# Altium PCB Slave.PcbDoc (part 11 of 11)
Units mm, origin at the board's own origin, x right, y up, seen from the top; angles counter-clockwise.
Board outline 380 x 63 mm, 4 copper layers (Top Copper, Signal Layer 1, Signal Layer 2, Bottom Copper), stack 1.586 mm thick; 256 components, 191 nets, 731 pads, 24161 vias.
Unrouted connection lines stored in the file: 14.
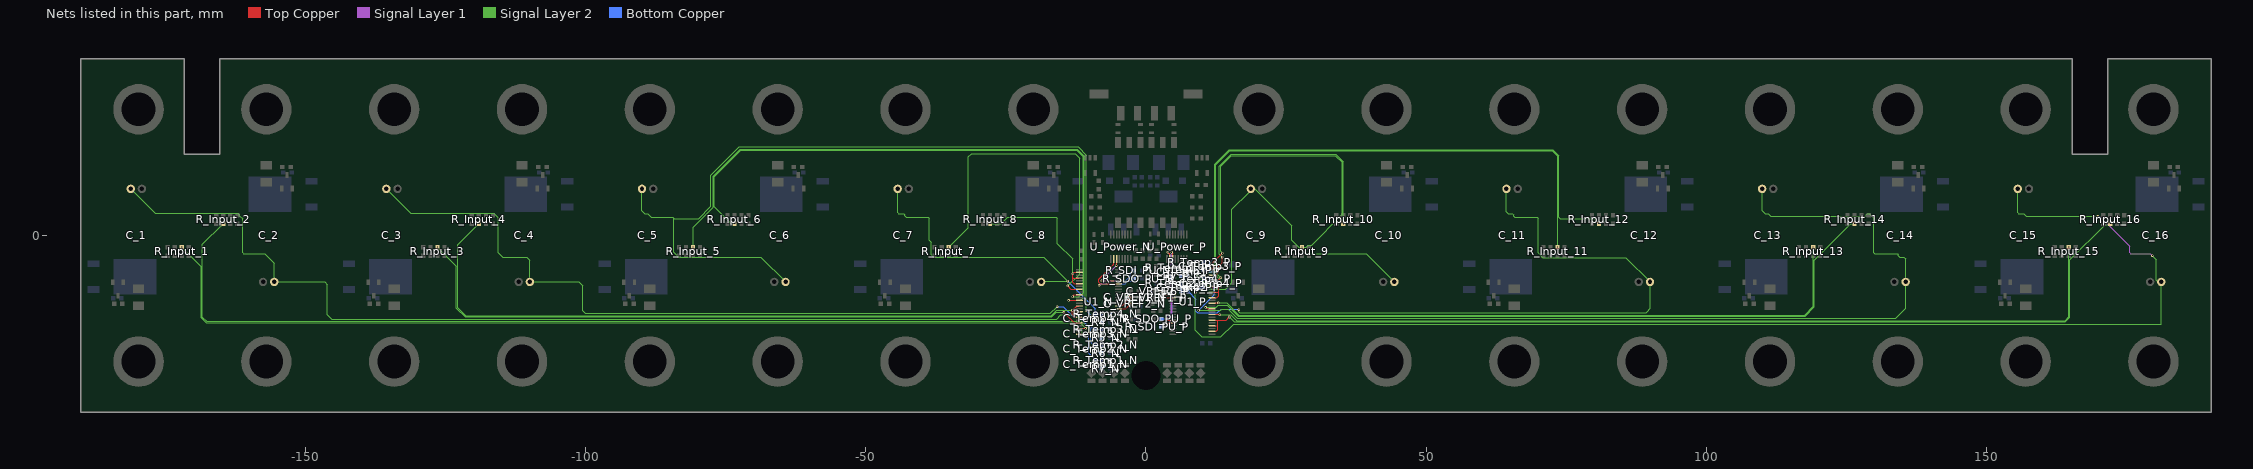
[diagram p13: the nets of this part, all layers, seen from the top]

## Via types
v1: diameter 0.45, hole 0.297, Top Copper to Bottom Copper, tented both sides, 23326 vias
v2: diameter 1, hole 0.7, Top Copper to Bottom Copper, 576 vias
v3: diameter 0.45, hole 0.2, Top Copper to Bottom Copper, 259 vias

## Nets (pads, with @x,y where several pads share a name; then routed paths per layer and width w, separated by ;. In a path a pad name is that pad's centre, name@x,y a point inside that pad or via, vN(x,y) a via of type N, cw(c..) or ccw(c..) an arc to the next point about the centre after c; other vN are vias at no path point) (continued)
SDI_N: R_SDO_PU_N.1 U1_N.43 U_Power_N.2 | length 16
  Top Copper w0.102: v3(-8.38,-8.926) -8.38,-8.851 -8.129,-8.6 ; U_Power_N.2@-5.751,-4.184 -5.751,-5.176 -8.4,-7.825 -8.4,-8.329 -8.129,-8.6 ; U1_N.43@-4.9,-8.6 -8.129,-8.6
  Bottom Copper w0.102: v3(-8.38,-8.926) -8.054,-8.6 -3.7,-8.6 -3.3,-8.2 -2.65,-8.2 -2.499,-8.049 -2.499,-8.024 -2.175,-7.7 R_SDO_PU_N.1@-2.15,-7.7
SDI_P: R_SDO_PU_P.1 U1_P.43 U_Power_P.2 | length 16
  Top Copper w0.102: v3(3.6,-14.87) 3.83,-15.1 U1_P.43@4.8,-15.1 ; v3(3.9,-3) 4.249,-3.349 U_Power_P.2@4.249,-4.184
  Signal Layer 1 w0.102: v3(3.6,-14.87) 4.5,-13.97 4.5,-3.6 v3(3.9,-3)
  Bottom Copper w0.102: R_SDO_PU_P.1@2.75,-14.9 3.57,-14.9 v3(3.6,-14.87)
SDO_N: R_SDI_PU_N.1 U1_N.44 U_Power_N.3 | length 14.8
  Top Copper w0.102: v3(-7.9,-8.125) -7.875,-8.1 U1_N.44@-4.9,-8.1 ; v3(-5.3,-5.4) -5.251,-5.351 U_Power_N.3@-5.251,-4.184
  Signal Layer 1 w0.102: v3(-7.9,-8.125) -7.9,-8 v3(-5.3,-5.4)
  Bottom Copper w0.102: v3(-7.9,-8.125) -3.625,-8.125 -2.8,-7.3 -2.8,-6.9 -2.499,-6.599 -2.499,-6.574 -2.175,-6.25 R_SDI_PU_N.1@-2.15,-6.25
SDO_P: R_SDI_PU_P.1 U1_P.44 U_Power_P.3 | length 17.5
  Top Copper w0.102: v3(3.462,-16.2) 4.062,-15.6 U1_P.44@4.8,-15.6 4.81,-15.59 U1_P.44@4.88,-15.66 ; v3(4.577,-3) 4.749,-3.172 U_Power_P.3@4.749,-4.184
  Signal Layer 1 w0.102: v3(3.462,-16.2) 4.703,-14.959 4.703,-3.126 v3(4.577,-3)
  Bottom Copper w0.102: R_SDI_PU_P.1@2.75,-16.25 3.412,-16.25 v3(3.462,-16.2)
T1_C1: C_1.T+ C_2.T+ C_Temp1_N.2 R7_N.1 R_Temp1_N.1 | length 199.3
  Signal Layer 2 w0.102: C_1.T+@-181.1,8.3 -176.725,3.925 -161.991,3.925 -161.723,3.656 -161.723,3.523 -161.151,2.951 -161.151,-3.104 -161.004,-3.251 -157.224,-3.251 -155.5,-4.975 C_2.T+@-155.5,-8.3 -146.5,-8.3 -146,-8.8 -146,-14.194 -145.256,-14.937 -15.954,-14.937 -15.19,-14.173 -12.624,-14.173 -10.25,-16.547 v3(-10.25,-17.5)
  Bottom Copper w0.102: v3(-10.25,-17.5) -10.25,-21 -9.349,-21.901 -9.324,-21.901 -9,-22.225 C_Temp1_N.2@-9,-22.25 R_Temp1_N.1@-7.9,-22.25 R7_N.1@-7.9,-23.75
T1_C2: C_9.T+ C_10.T+ C_Temp1_P.2 R7_P.1 R_Temp1_P.1 | length 65.5
  Signal Layer 2 w0.102: v3(6.3,-5.675) 6.804,-6.179 8.2,-6.179 11.614,-9.594 14.194,-9.594 15.313,-8.475 15.313,4.638 C_9.T+@18.463,7.788 ; C_9.T+@18.7,8.3 19.4,8.3 26,1.7 26,-0.9 28.4,-3.3 39.3,-3.3 C_10.T+@44.3,-8.3
  Bottom Copper w0.102: v3(6.3,-5.675) 6.3,-7.2 R7_P.1@6.25,-7.25 C_Temp1_P.2@7.5,-7.25
T3_C1: C_3.T+ C_4.T+ C_Temp2_N.2 R6_N.1 R_Temp2_N.1 | length 151.6
  Signal Layer 2 w0.102: C_3.T+@-135.5,8.3 -131.152,3.952 -116.344,3.952 -115.551,3.16 -115.551,-3.104 -114.777,-3.877 -110.423,-3.877 -109.9,-4.4 C_4.T+@-109.9,-8.3 -101.2,-8.3 -100.5,-9 -100.5,-13.4 -99.979,-13.921 -17.071,-13.921 v3(-15.85,-12.7)
  Bottom Copper w0.102: v3(-15.85,-12.7) -14.757,-12.7 -13.157,-14.3 -12.136,-14.3 -9.825,-16.612 -9.825,-19.025 -9.35,-19.5 C_Temp2_N.2@-9,-19.5 R_Temp2_N.1@-7.9,-19.5 R6_N.1@-7.9,-21
T3_C2: C_11.T+ C_12.T+ C_Temp2_P.2 R6_P.1 R_Temp2_P.1 | length 132.5
  Signal Layer 2 w0.102: v3(16.561,-13.233) 16.561,-13.624 16.74,-13.803 89.197,-13.803 89.669,-13.331 89.669,-13.26 89.9,-13.028 C_12.T+@89.9,-8.3 85.577,-3.977 70.794,-3.977 69.951,-3.135 69.951,3.104 69.804,3.251 65.749,3.251 65.578,3.422 65.578,3.656 65.357,3.877 64.622,3.877 64.3,4.199 C_11.T+@64.3,8.3
  Bottom Copper w0.102: R_Temp2_P.1@6.25,-8.5 R6_P.1@6.25,-10 C_Temp2_P.2@7.5,-10 8.915,-11.415 8.915,-13.538 9.195,-13.818 12.751,-13.818 13.411,-13.157 16.327,-13.157 16.337,-13.167 16.494,-13.167 v3(16.561,-13.233)
T5_C1: C_5.T+ C_6.T+ C_Temp3_N.2 R5_N.1 R_Temp3_N.1 | length 155.8
  Signal Layer 2 w0.102: C_5.T+@-89.9,8.3 -89.9,4.4 -89.378,3.877 -88.843,3.877 -88.217,3.251 -84.396,3.251 -84.249,3.104 -84.249,3 ; C_6.T+@-64.3,-8.3 -68.723,-3.877 -83.356,-3.877 -84.249,-2.985 -84.249,3 ; v3(-10.675,-13.425) -10.627,-13.377 -10.627,14.302 -12.128,15.803 -72.559,15.803 -77.61,10.753 -77.61,5.178 -79.787,3 -84.249,3
  Bottom Copper w0.102: v3(-10.675,-13.425) -9.622,-14.478 -9.622,-16.453 -9.527,-16.548 -9.163,-16.913 C_Temp3_N.2@-9,-16.75 R_Temp3_N.1@-7.9,-16.75 R5_N.1@-7.9,-18.25
T5_C2: C_13.T+ C_14.T+ C_Temp3_P.2 R5_P.1 R_Temp3_P.1 | length 185.5
  Signal Layer 2 w0.102: v3(9.373,-13.36) 13.335,-13.36 13.509,-13.186 14.686,-13.186 16.319,-14.819 133.714,-14.819 135.5,-13.033 C_14.T+@135.5,-8.3 135.5,-4.2 135.177,-3.877 134.443,-3.877 134.222,-3.656 134.222,-3.373 134.1,-3.251 129.996,-3.251 129.849,-3.104 129.849,3.085 129.031,3.902 128.719,3.902 128.498,3.681 128.498,3.46 128.438,3.4 111.434,3.4 110.957,3.877 110.448,3.877 109.9,4.425 C_13.T+@109.9,8.3
  Bottom Copper w0.102: v3(9.373,-13.36) 12.141,-10.592 12.141,-6.25 C_Temp3_P.2@11.5,-6.25 R5_P.1@10.25,-6.25 R_Temp3_P.1@10.25,-4.75
T7_C1: C_7.T+ C_8.T+ C_Temp4_N.2 R4_N.1 R_Temp4_N.1 | length 58.7
  Signal Layer 2 w0.102: C_7.T+@-44.3,8.3 -44.3,4 -44.177,3.877 -43.243,3.877 -43.022,3.656 -43.022,3.522 -42.751,3.251 -38.796,3.251 -38.649,3.104 -38.649,-0.851 -38.275,-1.225 -38.275,-3.459 -37.834,-3.9 -18.223,-3.9 v3(-13.97,-8.153) -18.553,-8.153 C_8.T+@-18.7,-8.3
  Bottom Copper w0.102: v3(-13.97,-8.153) -9.025,-13.098 -9.025,-13.975 C_Temp4_N.2@-9,-14 R_Temp4_N.1@-7.9,-14 R4_N.1@-7.9,-15.5
T7_C2: C_15.T+ C_16.T+ C_Temp4_P.2 R4_P.1 R_Temp4_P.1 | length 230.4
  Signal Layer 1 w0.102: v3(169.8,3.4) 170.1,3.4 175.449,-1.949 175.449,-3.104 175.596,-3.251 179.151,-3.251 v3(179.5,-3.6)
  Signal Layer 2 w0.102: v3(8.8,-10.2) 8.8,-16.953 9.922,-18.075 13.371,-18.075 15.611,-15.835 181.1,-15.835 C_16.T+@181.1,-8.3 180.499,-8.3 180.2,-8 180.2,-4.3 v3(179.5,-3.6) ; C_15.T+@155.5,8.3 155.5,4 155.623,3.877 156.557,3.877 157.034,3.4 v3(169.8,3.4)
  Bottom Copper w0.102: v3(8.8,-10.2) 9.75,-9.25 R4_P.1@10.25,-9.25 R_Temp4_P.1@10.25,-7.75 10.259,-7.759 C_Temp4_P.2@11.532,-7.759
V1_C1: R_Input_1.2 U1_N.24 | length 174.1
  Top Copper w0.102: U1_N.24@-11.9,-17.6 -11.08,-17.6 -10.9,-17.78 v3(-10.846,-17.78)
  Signal Layer 2 w0.102: v3(-172,-2.1) -168.5,-5.6 -168.5,-14.694 -167.647,-15.547 -13.079,-15.547 v3(-10.846,-17.78)
V1_C2: R_Input_9.2 U1_P.24 | length 61.3
  Top Copper w0.102: U1_P.24@11.8,-6.1 11.949,-6.1 12.018,-6.031 12.018,-4.797 v3(13.64,-3.175)
  Signal Layer 2 w0.102: v3(13.64,-3.175) 13.294,-2.829 13.294,12.295 15.251,14.251 33.761,14.251 34.997,13.016 34.997,3.736 29.539,-1.723 28.919,-1.723 28.541,-2.1 v3(27.8,-2.1)
V2_C1: R_Input_2.2 U1_N.22 | length 177.7
  Top Copper w0.102: U1_N.22@-11.9,-16.6 -11.886,-16.586 v3(-10.77,-16.586)
  Signal Layer 2 w0.102: v3(-164.6,2.1) -168.297,-1.597 -168.297,-14.609 -167.563,-15.344 -12.012,-15.344 v3(-10.77,-16.586)
V2_C2: R_Input_10.2 U1_P.22 | length 55.5
  Top Copper w0.102: U1_P.22@11.8,-7.1 11.826,-7.074 12.408,-7.074 12.958,-6.524 12.958,-5.533 13.64,-4.851 v3(13.64,-3.861)
  Signal Layer 2 w0.102: v3(13.64,-3.861) 13.57,-3.861 13.091,-3.382 13.091,12.379 15.166,14.455 33.845,14.455 35.2,13.1 v3(35.2,2.025)
V3_C1: R_Input_3.2 U1_N.20 | length 125.1
  Top Copper w0.102: v3(-14.63,-13.741) -12.772,-15.6 U1_N.20@-11.9,-15.6
  Signal Layer 2 w0.102: v3(-126.4,-2.1) -123,-5.5 -123,-12.962 -121.431,-14.531 -16.818,-14.531 -16.029,-13.741 v3(-14.63,-13.741)
V3_C2: R_Input_11.2 U1_P.20 | length 100.8
  Top Copper w0.102: U1_P.20@11.8,-8.1 12.779,-8.1 v3(13.335,-7.544)
  Signal Layer 2 w0.102: v3(13.335,-7.544) 12.481,-6.69 12.481,12.632 14.914,15.064 72.486,15.064 73.4,14.15 v3(73.4,-2.1)
V4_C1: R_Input_4.2 U1_N.14 U1_N.16 U1_N.18 | length 132.1
  Top Copper w0.102: U1_N.18@-11.9,-14.6 -11.906,-14.594 -12.584,-14.594 -13.132,-14.046 -13.132,-13.589 ; U1_N.16@-11.9,-13.6 -13.121,-13.6 -13.132,-13.589 ; U1_N.14@-11.9,-12.6 -12.371,-12.6 v3(-13.132,-13.36) -13.132,-13.589
  Signal Layer 2 w0.102: v3(-119,2.1) -122.797,-1.697 -122.797,-12.877 -121.347,-14.328 -16.902,-14.328 -15.939,-13.364 -13.135,-13.364 v3(-13.132,-13.36)
V4_C2: R_Input_12.2 U1_P.14 U1_P.16 U1_P.18 | length 109.6
  Top Copper w0.102: U1_P.14@11.8,-11.1 12.624,-11.1 12.954,-10.77 12.954,-10.084 ; U1_P.16@11.8,-10.1 12.938,-10.1 12.954,-10.084 ; U1_P.18@11.8,-9.1 11.828,-9.128 12.954,-9.128 ; v3(13.335,-9.195) 13.268,-9.128 12.954,-9.128 ; 12.954,-10.084 12.954,-9.128
  Signal Layer 2 w0.102: v3(13.335,-9.195) 13.487,-9.042 13.487,-8.23 12.278,-7.021 12.278,12.716 14.83,15.267 72.57,15.267 73.603,14.234 73.603,3.273 73.927,2.95 79.975,2.95 v3(80.8,2.125)
V5_C1: R_Input_5.2 U1_N.12 | length 113
  Top Copper w0.102: v3(-13.818,-11.6) U1_N.12@-11.9,-11.6
  Signal Layer 2 w0.102: v3(-80.8,-2.1) -80.8,1.413 -77.2,5.013 -77.203,5.016 -77.203,10.584 -72.391,15.397 -12.297,15.397 -11.034,14.134 -11.034,-11.008 -11.633,-11.608 -13.81,-11.608 v3(-13.818,-11.6)
V5_C2: R_Input_13.2 U1_P.12 | length 119.4
  Top Copper w0.102: U1_P.12@11.8,-12.1 12.34,-12.1 12.401,-12.04 v3(12.929,-12.04)
  Signal Layer 2 w0.102: v3(12.929,-12.04) 14.401,-12.04 16.571,-14.21 117.465,-14.21 119,-12.675 v3(119,-2.075)
V6_C1: R_Input_6.2 U1_N.10 | length 106.2
  Top Copper w0.102: v3(-13.106,-10.947) -12.759,-10.6 U1_N.10@-11.9,-10.6
  Signal Layer 2 w0.102: v3(-73.4,2.1) -74,2.1 -77,5.1 -77,10.5 -72.306,15.194 -12.381,15.194 -11.237,14.05 -11.237,-10.196 -11.989,-10.947 v3(-13.106,-10.947)
V6_C2: R_Input_14.2 U1_P.10 | length 129.7
  Top Copper w0.102: v3(10.643,-12.852) 10.89,-13.1 U1_P.10@11.8,-13.1
  Signal Layer 2 w0.102: v3(10.643,-12.852) 12.522,-12.852 12.925,-12.45 14.524,-12.45 16.487,-14.413 117.55,-14.413 119.203,-12.759 119.203,-4.397 125.7,2.1 v3(126.4,2.1)
V7_C1: R_Input_7.2 U1_N.8 | length 64
  Top Copper w0.102: v3(-13.97,-9.017) -13.387,-9.6 U1_N.8@-11.9,-9.6
  Signal Layer 2 w0.102: v3(-35.2,-2.1) -31.703,1.397 -31.703,14 -31.119,14.584 -12.633,14.584 -11.847,13.797 -11.847,-6.894 v3(-13.97,-9.017)
V7_C2: R_Input_15.2 U1_P.8 | length 166
  Top Copper w0.102: U1_P.8@11.8,-14.1 13.109,-14.1 v3(13.157,-14.148)
  Signal Layer 2 w0.102: v3(13.157,-14.148) 15.073,-14.148 16.151,-15.226 163.924,-15.226 164.6,-14.55 v3(164.6,-2.1)
V8_C1: R_Input_8.2 U1_N.2 U1_N.4 U1_N.6 | length 28.7
  Top Copper w0.102: U1_N.6@-11.9,-8.6 -12.787,-8.6 -13.03,-8.357 -13.03,-7.595 ; U1_N.4@-11.9,-7.6 -13.025,-7.6 -13.03,-7.595 ; U1_N.2@-11.9,-6.6 -12.798,-6.6 v3(-13.03,-6.833) -13.03,-7.595
  Signal Layer 2 w0.102: v3(-27.8,2.1) -25.801,2.1 -24.651,3.251 -15.996,3.251 -15.849,3.104 -15.849,-1.451 -13.1,-4.2 -13.1,-6.599 -13.097,-6.602 -13.097,-6.766 v3(-13.03,-6.833)
V8_C2: R_Input_16.2 U1_P.2 U1_P.4 U1_P.6 | length 178
  Top Copper w0.102: U1_P.2@11.8,-17.1 12.567,-17.1 12.802,-16.866 12.802,-16.078 ; U1_P.4@11.8,-16.1 12.78,-16.1 12.802,-16.078 ; U1_P.6@11.8,-15.1 12.802,-15.1 ; v3(14.859,-14.554) 14.313,-15.1 12.802,-15.1 ; 12.802,-16.078 12.802,-15.1
  Signal Layer 2 w0.102: v3(14.859,-14.554) 15.734,-15.429 164.009,-15.429 164.803,-14.634 164.803,-4.356 171.084,1.925 171.85,1.925 v3(172.025,2.1)
VREF1_N: C_VREF1_N.2 U1_N.35 | length 2.8
  Top Copper w0.102: U1_N.35@-4.9,-12.6 -4.872,-12.572 -4.252,-12.572 -3.099,-11.419 -3.099,-11.394 -2.775,-11.07 C_VREF1_N.2@-2.75,-11.07
VREF1_P: C_VREF1_P.2 U1_P.35 | length 2.2
  Top Copper w0.102: C_VREF1_P.2@2.65,-11.1 U1_P.35@4.8,-11.1
VREF2_N: C_VREF2_N.2 U1_N.34 | length 2.5
  Top Copper w0.102: U1_N.34@-4.9,-13.1 -3.65,-13.1 -3.099,-12.549 -3.099,-12.524 -2.775,-12.2 C_VREF2_N.2@-2.75,-12.2
VREF2_P: C_VREF2_P.2 U1_P.34 | length 2.4
  Top Copper w0.102: C_VREF2_P.2@2.65,-10 2.675,-10 2.999,-10.324 2.999,-10.349 3.25,-10.6 U1_P.34@4.8,-10.6
pads on no net: U1_N.3 U1_N.5 U1_N.15 U1_N.17 U1_N.39 U1_P.3 U1_P.5 U1_P.15 U1_P.17 U1_P.39 X_ISO.TAB1 X_ISO.TAB2 XFMR1.8 XFMR1.11

## Polygon pours and split planes (outlines as drawn)
F_10 on Bottom Copper "F_10_L04_P090" (solid, remove dead copper, pour order 90): 53.2,3.5 10.2,3.5 10.2,16 53.2,16
F_9 on Bottom Copper "F_9_L04_P086" (solid, remove dead copper, pour order 86): 9.8,-3.5 52.8,-3.5 52.8,-16 9.8,-16
F_12 on Bottom Copper "F_12_L04_P082" (solid, remove dead copper, pour order 82): 98.8,3.5 55.8,3.5 55.8,16 98.8,16
F_11 on Bottom Copper "F_11_L04_P078" (solid, remove dead copper, pour order 78): 55.4,-3.5 98.4,-3.5 98.4,-16 55.4,-16
F_14 on Bottom Copper "F_14_L04_P074" (solid, remove dead copper, pour order 74): 144.4,3.5 101.4,3.5 101.4,16 144.4,16
F_13 on Bottom Copper "F_13_L04_P070" (solid, remove dead copper, pour order 70): 101,-3.5 144,-3.5 144,-16 101,-16
F_16 on Bottom Copper "F_16_L04_P066" (solid, remove dead copper, pour order 66): 190,3.5 147,3.5 147,16 190,16
F_15 on Bottom Copper "F_15_L04_P062" (solid, remove dead copper, pour order 62): 146.6,-3.5 189.6,-3.5 189.6,-16 146.6,-16
F_8 on Bottom Copper "F_8_L04_P058" (solid, remove dead copper, pour order 58): -9.8,3.5 -52.8,3.5 -52.8,16 -9.8,16
F_6 on Bottom Copper "F_6_L04_P054" (solid, remove dead copper, pour order 54): -55.4,3.5 -98.4,3.5 -98.4,16 -55.4,16
F_7 on Bottom Copper "F_7_L04_P050" (solid, remove dead copper, pour order 50): -53.2,-3.5 -10.2,-3.5 -10.2,-16 -53.2,-16
F_5 on Bottom Copper "F_5_L04_P046" (solid, remove dead copper, pour order 46): -98.8,-3.5 -55.8,-3.5 -55.8,-16 -98.8,-16
F_3 on Bottom Copper "F_3_L04_P042" (solid, remove dead copper, pour order 42): -144.4,-3.5 -101.4,-3.5 -101.4,-16 -144.4,-16
F_4 on Bottom Copper "F_4_L04_P038" (solid, remove dead copper, pour order 38): -101,3.5 -144,3.5 -144,16 -101,16
F_2 on Bottom Copper "F_2_L04_P034" (solid, remove dead copper, pour order 34): -146.7,3.5 -189.7,3.5 -189.7,16 -146.7,16
F_1 on Bottom Copper "F_1_L04_P030" (solid, remove dead copper, pour order 30): -190,-3.5 -147,-3.5 -147,-16 -190,-16
NEG1_C1 on Bottom Copper "NEG1_C1_L04_P100" (solid, pour order 100): -9.8,15 -0.5,15 -0.5,-31.5 -9.825,-31.5
NEG1_C2 on Bottom Copper "NEG1_C2_L04_P102" (solid, pour order 102): 9.8,15 0.5,15 0.5,-31.5 9.825,-31.5
NEG1_C1 on Top Copper "Top Copper-NEG1_C1" (solid, pour order 2): -11.379,10 -11.379,15 -0.5,15 -0.5,10
F_10 on Top Copper "F_10_L01_P096" (solid, remove dead copper, pour order 96): 53.2,3.5 10.2,3.5 10.2,16 53.2,16
F_9 on Top Copper "F_9_L01_P088" (solid, remove dead copper, pour order 88): 9.8,-3.5 52.8,-3.5 52.8,-16 9.8,-16
F_12 on Top Copper "F_12_L01_P084" (solid, remove dead copper, pour order 84): 98.8,3.5 55.8,3.5 55.8,16 98.8,16
F_11 on Top Copper "F_11_L01_P080" (solid, remove dead copper, pour order 80): 55.4,-3.5 98.4,-3.5 98.4,-16 55.4,-16
F_14 on Top Copper "F_14_L01_P076" (solid, remove dead copper, pour order 76): 144.4,3.5 101.4,3.5 101.4,16 144.4,16
F_13 on Top Copper "F_13_L01_P072" (solid, remove dead copper, pour order 72): 101,-3.5 144,-3.5 144,-16 101,-16
F_16 on Top Copper "F_16_L01_P068" (solid, remove dead copper, pour order 68): 190,3.5 147,3.5 147,16 190,16
F_15 on Top Copper "F_15_L01_P064" (solid, remove dead copper, pour order 64): 146.6,-3.5 189.6,-3.5 189.6,-16 146.6,-16
F_8 on Top Copper "F_8_L01_P060" (solid, remove dead copper, pour order 60): -9.8,3.5 -52.8,3.5 -52.8,16 -9.8,16
F_6 on Top Copper "F_6_L01_P056" (solid, remove dead copper, pour order 56): -55.4,3.5 -98.4,3.5 -98.4,16 -55.4,16
F_7 on Top Copper "F_7_L01_P052" (solid, remove dead copper, pour order 52): -53.2,-3.5 -10.2,-3.5 -10.2,-16 -53.2,-16
F_5 on Top Copper "F_5_L01_P048" (solid, remove dead copper, pour order 48): -98.8,-3.5 -55.8,-3.5 -55.8,-16 -98.8,-16
F_3 on Top Copper "F_3_L01_P044" (solid, remove dead copper, pour order 44): -144.4,-3.5 -101.4,-3.5 -101.4,-16 -144.4,-16
F_4 on Top Copper "F_4_L01_P040" (solid, remove dead copper, pour order 40): -101,3.5 -144,3.5 -144,16 -101,16
F_2 on Top Copper "F_2_L01_P036" (solid, remove dead copper, pour order 36): -146.7,3.5 -189.7,3.5 -189.7,16 -146.7,16
F_1 on Top Copper "F_1_L01_P032" (solid, remove dead copper, pour order 32): -190,-3.5 -147,-3.5 -147,-16 -190,-16
NEG1_C2 on Top Copper "Top Copper-NEG1_C2" (solid, pour order 4): 10.5,10 10.5,15 0.5,15 0.5,10
NEG1_C2 on Signal Layer 1 "Signal Layer 1-NEG1_N" (solid, pour order 104): 190,16 0.5,16 0.5,-31.5 12.5,-31.5 12.5,-16 190,-16
NEG1_C1 on Signal Layer 1 "Signal Layer 1-NEG1_N" (solid, pour order 98): -190,16 -0.5,16 -0.5,-31.5 -12.5,-31.5 -12.5,-16 -190,-16

## Keep-outs
Bottom Copper:
  lines w0.2: -190,-14.5 -189.5,-15 -12.8,-15 -12.8,-31.5 ; -190,15 190,15 ; 12.8,-31.5 12.8,-15 189.5,-15 190,-14.5
Keep-Out Layer:
  the board outline again, w0.2

## Silkscreen, mask and mechanical layers (free items; w line width, h text height)
Top Overlay:
  lines w0.2: -168.45,-13.5 -168.45,13.5 ; -145.65,-13.5 -145.65,13.5 ; -122.85,-13 -122.85,14 ; -100.05,-13 -100.05,14 ; -77.25,-13 -77.25,14 ; -54.45,-13 -54.45,14 ; -31.65,-13 -31.65,14 ; 31.35,-13 31.35,14 ; 54.15,-13 54.15,14 ; 76.95,-13 76.95,14 ; 99.75,-13 99.75,14 ; 122.55,-13 122.55,14 ; 145.35,-13 145.35,14 ; 168.15,-13 168.15,14
  text "Illini Formula" at -5.1,30.05 h0.81
  text "Electric" at -2.8,28.85 h0.81
  text "Apollo 2019" at -5,27.15 h1
  text "1 /  / 0" at -0.375,-26.625 h0.9
  text "0 1 2 3" at -9.05,-27.925 h0.85
  text "3 2 1 0" at 3.55,-27.925 h0.85
  text "Chaitanya Sindagi" at -14.25,-30.25 h1.8

## Dimensions
-171.58,14.5 to -171.58,31.5 on Measurements
-171.58,31.625 to -165.23,31.5 on Measurements
-190,31.5 to -171.58,31.5 on Measurements
-190,-31.5 to 190,-31.5 on Measurements
-190,-31.5 to -190,31.5 on Measurements

## Text inside footprints (layer, text, board x,y; h text height)
C_1: Top Overlay "+" at -173.2,-28.6 h3 r180; Top Overlay "-" at -175.7,31.1 h3 r270; Bottom Overlay "-" at -175.7,31.1 h3 r270; Bottom Overlay "+" at -173.2,-28.6 h3 r180
C_2: Top Overlay "+" at -163.4,28.6 h3; Top Overlay "-" at -160.9,-31.1 h3 r90; Bottom Overlay "-" at -160.9,-31.1 h3 r90; Bottom Overlay "+" at -163.4,28.6 h3
C_3: Top Overlay "+" at -127.6,-28.6 h3 r180; Top Overlay "-" at -130.1,31.1 h3 r270; Bottom Overlay "-" at -130.1,31.1 h3 r270; Bottom Overlay "+" at -127.6,-28.6 h3 r180
C_4: Top Overlay "+" at -117.8,28.6 h3; Top Overlay "-" at -115.3,-31.1 h3 r90; Bottom Overlay "-" at -115.3,-31.1 h3 r90; Bottom Overlay "+" at -117.8,28.6 h3
C_5: Top Overlay "+" at -82,-28.6 h3 r180; Top Overlay "-" at -84.5,31.1 h3 r270; Bottom Overlay "-" at -84.5,31.1 h3 r270; Bottom Overlay "+" at -82,-28.6 h3 r180
C_6: Top Overlay "+" at -72.2,28.6 h3; Top Overlay "-" at -69.7,-31.1 h3 r90; Bottom Overlay "-" at -69.7,-31.1 h3 r90; Bottom Overlay "+" at -72.2,28.6 h3
C_7: Top Overlay "+" at -36.4,-28.6 h3 r180; Top Overlay "-" at -38.9,31.1 h3 r270; Bottom Overlay "-" at -38.9,31.1 h3 r270; Bottom Overlay "+" at -36.4,-28.6 h3 r180
C_8: Top Overlay "+" at -26.6,28.6 h3; Top Overlay "-" at -24.1,-31.1 h3 r90; Bottom Overlay "-" at -24.1,-31.1 h3 r90; Bottom Overlay "+" at -26.6,28.6 h3
C_9: Top Overlay "+" at 26.6,-28.6 h3 r180; Top Overlay "-" at 24.1,31.1 h3 r270; Bottom Overlay "-" at 24.1,31.1 h3 r270; Bottom Overlay "+" at 26.6,-28.6 h3 r180
C_10: Top Overlay "+" at 36.4,28.6 h3; Top Overlay "-" at 38.9,-31.1 h3 r90; Bottom Overlay "-" at 38.9,-31.1 h3 r90; Bottom Overlay "+" at 36.4,28.6 h3
C_11: Top Overlay "+" at 72.2,-28.6 h3 r180; Top Overlay "-" at 69.7,31.1 h3 r270; Bottom Overlay "-" at 69.7,31.1 h3 r270; Bottom Overlay "+" at 72.2,-28.6 h3 r180
C_12: Top Overlay "+" at 82,28.6 h3; Top Overlay "-" at 84.5,-31.1 h3 r90; Bottom Overlay "-" at 84.5,-31.1 h3 r90; Bottom Overlay "+" at 82,28.6 h3
C_13: Top Overlay "+" at 117.8,-28.6 h3 r180; Top Overlay "-" at 115.3,31.1 h3 r270; Bottom Overlay "-" at 115.3,31.1 h3 r270; Bottom Overlay "+" at 117.8,-28.6 h3 r180
C_14: Top Overlay "+" at 127.6,28.6 h3; Top Overlay "-" at 130.1,-31.1 h3 r90; Bottom Overlay "-" at 130.1,-31.1 h3 r90; Bottom Overlay "+" at 127.6,28.6 h3
C_15: Top Overlay "+" at 163.4,-28.6 h3 r180; Top Overlay "-" at 160.9,31.1 h3 r270; Bottom Overlay "-" at 160.9,31.1 h3 r270; Bottom Overlay "+" at 163.4,-28.6 h3 r180
C_16: Top Overlay "+" at 173.2,28.6 h3; Top Overlay "-" at 175.7,-31.1 h3 r90; Bottom Overlay "-" at 175.7,-31.1 h3 r90; Bottom Overlay "+" at 173.2,28.6 h3
U_Power_N: Top Overlay "*" at -6.251,-4.184 h1.97 r90
U_Power_P: Top Overlay "*" at 3.749,-4.184 h1.97 r90